# Altium PCB Weather_Station_ETH_HERMETIC.PcbDoc (part 2 of 5)
Units mil, origin at the board's own origin, x right, y up, seen from the top; angles counter-clockwise.
Board outline 6385.86 x 4338.61 mil, 2 copper layers (TopLayer, BottomLayer), stack 61.855 mil thick; 510 components, 370 nets, 1634 pads, 870 vias.
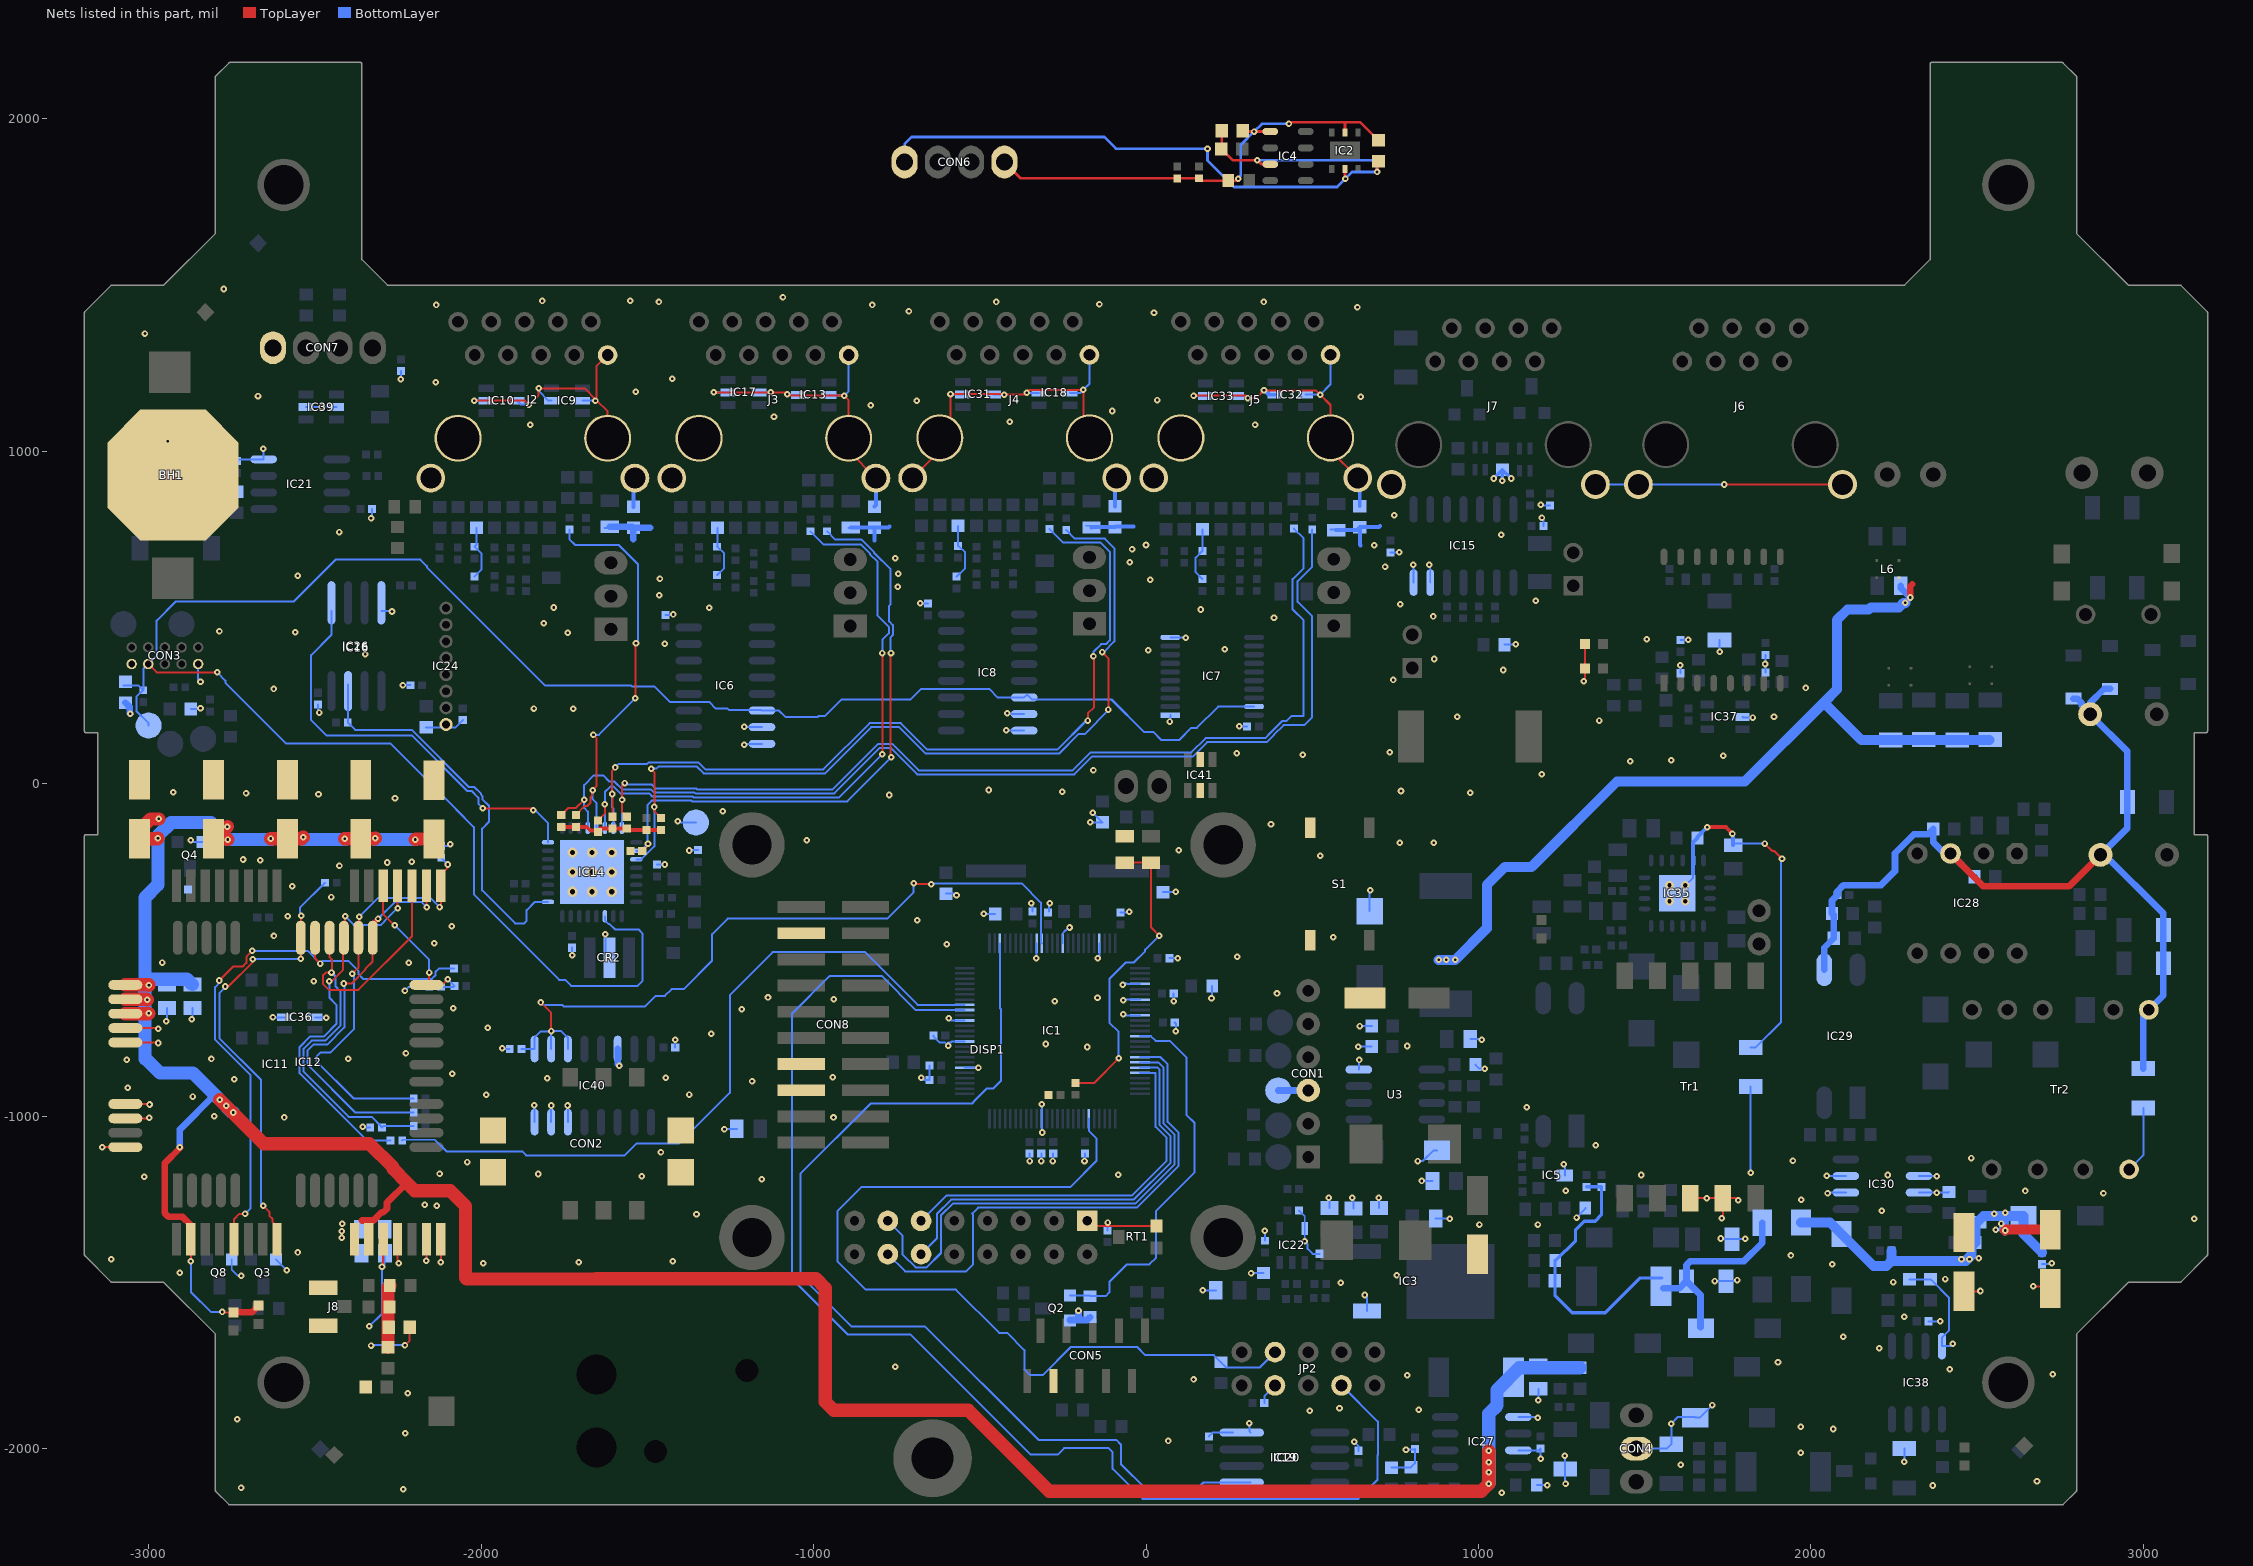
[diagram p2: the nets of this part, all layers, seen from the top]

## Footprints (in the part's own frame and the unit in brackets; to place one, negate y for a bottom-side part, rotate by r counter-clockwise, add the part's x,y. Pads: shape width x height; smd on the part's side, far side on the other; paste and mask are expansions set on the pad) (continued)
tssop20 [mil]
  rect 60x16 smd: 1(0,0)
  oval 60x16 smd: 2(0,-26) 3(0,-52) 4(0,-78) 5(0,-104) 6(0,-130) 7(0,-156) 8(0,-182) 9(0,-208) 10(0,-234) 11(252,-234) 12(252,-208) 13(252,-182) 14(252,-156) 15(252,-130) 16(252,-104) 17(252,-78) 18(252,-52) 19(252,-26) 20(252,0)
  silkscreen extent 63,-247 189,13, body extent 1,-246 247,14, height 47
Varistor_V07 [mm]
  round 1.5 hole 1: 1(0,0) 2(5,0)
  silkscreen extent -1.5,-1.5 6.5,1.5, body extent -1.46,-0.9 6.51,1.1, height 8.99
WZ04S [mm]
  oval 2x2.5 hole 1.3: 1(0,0) 2(2.54,0) 3(5.08,0) 4(7.62,0)
  silkscreen extent -2.54,-4.06 10.16,2.54, body extent -2.84,-3.53 10.67,3.68, height 10.92

## Part data
ANT1: "Flavus GSM Snap-In Antenna, 800/900/1800/1900 MHz, 0.8mm PCB Thickness"
BAT1: library part BATTERY_CR1220, "CR-21220 Battery 3V 35mAh"
BH1: library part BATTERY_HOLD_CR1220, "CR-1220 Battery holder"
C1 C3 C4 C8 C9 C10 C11 C17 C29 C31 C32 C33 C34 C35 C37 C38 C41 C42 C43 C44 C48 C49 C50 C53 C54 C69 C70 C73 C74 C75 C76 C84 C89 C92 C93 C94 C95 C96 C99 C100 C102 C103 C104 C107 C108 C110 C114 C115 C116 C117 C118 C119 C120 C121 C122 C181 C268: library part CAP_SMD_0402, "Capacitor SMD"
C2 C6 C18 C27 C45 C46 C51 C52 C55 C61 C63 C64 C71 C72 C80 C81 C83 C86 C90 C105 C106 C112 C260 C266: library part CAP_SMD_0603, "Capacitor SMD"
C5 C7 C56 C57 C65 C82 C85 C87 C88 C91 C109: library part CAP_SMD_1206, "Capacitor SMD"
C12 C15 C16 C20 C21 C23 C24 C25 C26 C28 C47 C67 C68 C113 C261 C264 C265 C269: library part CAP_SMD_0805, "Capacitor SMD"
C13 C14 C141 C143: library part X7R,1000pF,2KV,1206_0, "CAP,X7R,1000P,2KV,10%"
C19 C59 C60 C66 C77 C97 C98 C101: library part CAP_ELECTRO_SMD_C, "Electrolytic Capacitor"
C22: library part CAP_ELECTRO_SMD_D, "Electrolytic Capacitor"
C30 C39 C40 C58 C62 C111 C162 C163 C164: library part CAP_SMD, "Capacitor SMD"
C36: library part CAP_ELECTRO_5mm, "Electrolytic Capacitor"
C78 C79: library part CAP_ELECTRO_10mm, "Electrolytic Capacitor"
CON1: library part CON6
CON2: library part CON_CARD-SIME6C10, "Sim Card Holder (Maritex)"
CON3: library part "HEADER 5X2"
CON4: library part CON_3_2.54_key, "2.54mm crimped terminal header"
CON5: library part CON_ZIF_10_1mm_SMT_V, "FCI ZIF 1mm connector (Farnell)"
CON6 CON7: library part CON_4_2.54_key, "2.54mm crimped terminal header"
CON8: library part CON_IDC20_SMT_2mm, "20 pin, IDC receptacle, 2mm"
CON9: library part CON_2_2.54_key, "2.54mm crimped terminal header"
CR2: library part X_CERAMIC_RES, "ceramic resonator QCC(QDCV)12.00 (Maritex)"
D1 D2 D3 D5 D8 D13 D17 D18 D19 D20: library part shottky_SS14_18, "shottky diode (Maritex)"
D4 D9: library part D_TVS_33V_SMD_0.6KW_uni, "transil 600W"
D6: "TVS, 200V"
D7 D21: library part D_ER1G, "1A, 400V, 35ns"
D10 D11 D12 D14: library part D_S1ML, "1A, 1000V, 1.8us"
D15 D16: library part D_shottky_SS14_18, "shottky diode (Maritex)"
DISP1: library part LCD_HD44780_LED_2x8, "LCD character display socket with backlight"
F1 F2 F4 F5 F6 F8: library part F_PTC_0.05A, "50mA polymer FUSE"
F3 F7: library part F_PTC_9.5x6mm, "2.50A/15V"
FB1 FB2 FB3 FB46 FB47: library part L_FERRITE_BEAD, "ferrite bead"
FB4 FB5 FB6 FB7 FB8 FB9 FB10 FB11 FB12 FB13 FB14 FB15 FB16 FB17 FB18 FB19 FB20 FB21 FB22 FB23 FB24 FB25 FB26 FB27 FB28 FB29 FB30 FB31 FB32 FB33 FB34 FB35 FB36 FB37 FB38 FB39 FB40 FB41 FB42 FB43 FB44 FB45: library part L_FERRITE_BEAD_0603, "ferrite bead 100R@100MHz 1A"
FTG1 FTG2 FTG3 FTG4 FTG5 FTG6: "Fiducial Target"
IC1: library part UPC_PIC18F96J65_PT
IC2: "Humidity and Temperature Sensor IC"
IC3: library part REG_S1117-3.3D, "Voltage Regulator"
IC4: library part SENS_MPL115A2, "Miniature I2C Digital Barometer"
IC5: library part REF_TLV431_SOT23_16V, "16V 1.24V ADJ Voltage reference"
IC6 IC8: library part 4052
IC7: library part 74HC244, "TTL BUS tristate"
IC9 IC10 IC13 IC17 IC18 IC31 IC32 IC33 IC36 IC39 IC41: library part D_TVS_PESD3V3S4UD, "3.3V TVS"
IC11: library part "Quectel M95", "GSM Module"
IC12: "GSM Module"
IC14: library part UPC_LPC1111
IC15: library part DRV_SP3070/73/76, "3.3V, 1/8 Load, Failsafe  RS-485/RS422 Transceivers"
IC16 IC19 IC20 IC26: library part MEM_EN25F16, "FLASH (maritex)"
IC21: library part RTC_MCP79411, "RTC with 1k EEPROM, RAM and 48bit unique ID"
IC22: library part CMP_MCP6546RT-E/OT, "Open-Drain Output Sub-Microamp Comparators"
IC23 IC25: library part D_TVS_SM712, "Asymmetrical TVS Diode for RS485"
IC24: "Low Power High Performance 2.4 GHz GFSK Transceiver Module"
IC27: library part PWM_NCP3170, "4.5V to 18V, 3A synch buck"
IC28: library part PWM_VIPER20, "20W SMPS PRIMARY I.C."
IC29: library part OPTO-LTV817S, "transoptor"
IC30: library part REF_TL431_SO8, "Voltage reference"
IC34: library part OPTO-SFH6106-4, "opto-coupler"
IC35: library part PM_Si3402, "POE PD INTERFACE"
IC37: library part D_TVS_WWS05-4RUL, "TVS, 5V"
IC38: library part PM_LTC4002ES8-8.4, "Standalone Li-Ion  Switch Mode Battery Charger"
IC40: library part 4053
J1 J9: library part CON_TB2, "Terminal Block"
J2 J3 J4 J5: library part CON_MOD_10pin_V, "Modular 10pin (Maritex or Molex)"
J6 J7: library part CON_MOD_8pin_V, "Modular 8pin (Maritex or Molex)"
J8: library part CON_UFL_SMD, "UFL"
JP1 JP3: library part JUMPER, "Jumper"
JP2: library part "CON_HEADER 5X2", "Goldpin 2.54mm"
L1 L3 L6: library part L_CMC_DLW5BT, "CMC, 2A, 100R, 50V"
L2: library part L_POWER_DLCSN042C_1uH, "1uH, 2.9A, 0.07R, inductor (Maritex)"
L4 L5: library part L_POWER_INDUCTOR_CSS075F, "inductor"
L7 L8: library part L_CMC_DLSCM0805_180R, "CMC 180R"
L9: library part IND0603_WURTH_74279266, "Inductor"
L10 L11: library part L_CHOKE_1210, "Inductor (maritex)"
L12: library part L_POWER_DLCSN042C, "inductor (Maritex)"
L13: library part L_POWER_DLCSN042C_47uH, "47uH, 0.5A, 0.64R, inductor (Maritex)"
LED1 LED5 LED6: library part LED_0603G, "LED 0603 green"
LED2: library part LED_0603Y, "LED 0603 yellow"
LED3 LED9: library part LED_0603R, "LED 0603 red"
Q1: library part Q_TSM2307CX, "P MOSFET 30V, 0.14R, 2A"
Q2 Q3 Q4 Q8: library part Q_BSS138
R1 R2 R3 R4 R10 R11 R12 R20 R21 R24 R27 R31 R33 R39 R41 R46 R58 R59 R64 R65 R66 R89 R90 R91 R92 R94 R124 R134: library part RES_SMD, "SMD Resistor"
R5 R6 R7 R8 R13 R15 R16 R17 R18 R23 R25 R29 R30 R32 R37 R38 R43 R47 R48 R49 R50 R51 R52 R53 R54 R55 R56 R57 R62 R67 R68 R69 R70 R71 R75 R76 R78 R79 R80 R81 R82 R83 R84 R85 R86 R87 R88 R93 R95 R96 R97 R98 R99 R100 R101 R102 R104 R105 R106 R107 R108 R109 R110 R112 R113 R114 R117 R118 R120 R121 R122 R123 R125 R128 R129 R130 R137 R141 R149 R150 R151 R154 R156 R159 R160 R163 R164 R165 R166 R167 R168 R169 R170 R171 R172 R173: library part RES_0402, "SMD Resistor"
R9 R19 R22 R26 R28 R34 R35 R36 R40 R42 R60 R61 R63 R72 R73 R77 R103 R111 R115 R116 R119 R126 R127 R131 R132 R133 R135 R136 R138 R139 R140 R142 R143 R145 R146 R147 R148 R152 R153 R155 R157 R158 R161: library part RES_0603, "SMD Resistor"
R14: library part RES_1206, "SMD Resistor"
R44 R45 R74 R144 R162 R174 R175 R176 R177 R178: library part RES_0805, "SMD Resistor"
RT1: library part TRIMPOT_SMD_CARBON, "carbon SMD trimpot (Farnell)"
S1: library part SW-PB, "Push button 7.3mm"
TP1 TP2 TP3 TP4 TP5 TP10 TP11 TP12 TP13 TP14 TP15: library part TP, "Testpoint"
Tr1: library part Tr_FAFA2925, "15W, 12V PoE Transformer, for Si3402, Coilcraft only"
Tr2: library part Tr_74002, "6W 12V flyback transformer (MYRRA)"
Tr3: library part TR_H1260NL, "ethernet trafo (TME)"
U3: library part MC34063A
VR2: library part "Varistor V07N", "varistor 7mm (Maritex)"
X1: library part CRYSTAL, "Crystal oscillator"
X2: library part X_CRYSTAL_32k_SMD, "Crystal oscillator 32k (Maritex)"

## Free pads (board coordinates)
  round 157.48 hole 118.11: 0(-2593.9,1801.18) 1(2593.9,1801.18) 2(-2593.9,-1801.18) 3(2593.9,-1801.18)
  round 236.22 hole 125.98 paste-39.37: 0(-642,-2029)

## Via types
v1: diameter 19.68, hole 7.87, TopLayer to BottomLayer, tented both sides, 857 vias
v2: diameter 31.5, hole 15.75, TopLayer to BottomLayer, tented top, 9 vias
v3: diameter 25.98, hole 12.99, TopLayer to BottomLayer, tented top, 4 vias

## Nets (pads, with @x,y where several pads share a name; then routed paths per layer and width w, separated by ;. In a path a pad name is that pad's centre, name@x,y a point inside that pad or via, vN(x,y) a via of type N, cw(c..) or ccw(c..) an arc to the next point about the centre after c; other vN are vias at no path point)
12V_POE: C7.1 C266.2 D2.A D13.A L2.2 R6.1 R129.1 R139.2 | length 1435.6
  BottomLayer w10: R129.1@1325,-1212.72 R6.1@1370,-1212.72 1370,-1297 1351,-1316 1318,-1316 1292,-1342 1292,-1375 1233,-1434 R139.2@1231,-1434 1230,-1435 C266.2@1230,-1495 1230,-1539 1282,-1591 1381,-1591 1485,-1487 L2.2@1551,-1487
  BottomLayer w20: L2.2@1555.41,-1518 1604,-1518 C7.1@1626,-1496 ; D2.A@1668,-1635 1668,-1538 C7.1@1626,-1496 ; D13.A@1854,-1320.61 1854,-1381 1799,-1436 1638,-1436 1626,-1448 C7.1@1626,-1496
+3.3VS: C2.2 C64.2 CON6.1 IC2.5 IC4.1 R17.2 R18.2 R19.2 | length 1432.5
  TopLayer w8: CON6.1@-426,1870 -376.77,1820.77 R17.2@94,1820.77 94.51,1821.28 R18.2@159,1821.28 166.28,1814 R19.2@247.5,1814 270.94,1814 v1(276.94,1820) ; C64.2@290.5,1964 292.86,1961.64 v1(325,1961.64) IC4.1@374,1961.64 ; v1(430,1985) 430,1990 610,1990 ; 595,1990 610,1990 ; IC2.5@598.37,1959 598.37,1990 ; C2.2@699,1934.98 643.98,1990 610,1990
  BottomLayer w8: v1(276.94,1820) 276.94,1821.94 285,1830 285,1921.64 v1(325,1961.64) 348.36,1985 v1(430,1985)
+12V_AC: C66.1 C69.2 C77.1 C96.1 D3.A D5.A D15.K R74.1 R146.1 | length 1179.8
  TopLayer w30: v1(2584,-1344) 2586.58,-1341.42 C77.1@2720,-1341.42
  BottomLayer w30: D3.A@1970,-1319.61 2057,-1319.61 D5.A@2092,-1354.61 2188.39,-1451 2227,-1451 2243,-1435 ; C69.2@2242.72,-1405 2242.72,-1434.72 2243,-1435 ; v1(2584,-1344) 2581,-1341 v1@2581,-1300 ; C96.1@2695,-1410 2639.61,-1354.61 D15.K@2639.61,-1300 v1@2581,-1300 ; 2243,-1435 2466,-1435 2482.5,-1418.5 2482.5,-1392.5 R146.1@2495,-1380 2495,-1324.37 R74.1@2500,-1319.37 2519.37,-1300 v1@2581,-1300
  other v1: 2453,-1430 2477,-1430 2505,-1428 2556,-1342 2572,-1323 2551,-1294 2584,-1291
ADC0_IN: C115.2 IC14.21 R30.2 | length 1235.4
  TopLayer w6: C115.2@-1712.28,-94.28 C115.2@-1715,-94.28 -1687.72,-67 -1680,-67 -1671,-58 -1671,-40.16 -1665.84,-35 -1665.84,-20.84 v1(-1664.53,-19.53) -1653,-8 -1653,138 v1(-1662,147) ; v1(-1536,257) v1@-1536,420
  BottomLayer w6: R30.2@-1734.36,764.33 -1734.36,735.36 -1717,718 -1585.81,718 -1528,660.19 v1@-1528,422 ; v1(-1664.53,-19.53) -1664.53,-46.4 -1653.2,-57.73 IC14.21@-1653.2,-133.13 ; v1(-1662,147) -1646,147 v1(-1536,257)
  other v1: -1534,422
ADC1_IN: C116.2 IC14.22 R67.2 | length 1912.5
  TopLayer w6: C116.2@-1648,-110.28 -1627.61,-89.9 v1(-1627.61,-62) ; v1(-793,89) v1(-793,393)
  BottomLayer w6: IC14.22@-1627.61,-133.13 v1(-1627.61,-62) ; v1@-1627.61,-61 -1627.61,-25.03 -1611.18,-8.59 -1601.03,-8.59 -1580.78,-28.84 -1494.34,-28.84 -1484.34,-38.84 -1362.57,-38.84 -1360.41,-41 -923,-41 v1(-793,89) ; R67.2@-1009.36,759.33 -969.04,719 -856.81,719 -830.36,692.55 ; -830.36,690.39 -807,667.03 -807,505.65 -773.16,471.8 -773.16,452.2 -793,432.35 v1(-793,393)
ADC2_IN: C117.2 IC14.23 R69.2 | length 2573.1
  TopLayer w6: C117.2@-1605,-99.28 -1605,-32 v1(-1606,-31) -1606,38.84 v1(-1596,48.84) ; v1(-175,190) -175,211.65 -156.16,230.49 -156.16,381.16 v1(-158,383)
  BottomLayer w6: v1(-1606,-31) -1606,-71.02 -1602.02,-75 IC14.23@-1602.02,-133.13 ; v1(-1596,48.84) -1585.49,59.36 -1500.29,59.36 -1495.8,63.84 -1346.46,63.84 -1325.62,43 -970.3,43 -831.46,181.84 -737.54,181.84 -658.07,102.37 -266.6,102.37 -178.97,190 v1(-175,190) ; R69.2@-290,765.87 -290,765.73 -249.13,724.87 -136.77,724.87 -109,697.09 -109,431 -120.35,419.65 -135,419.65 -158,396.65 v1(-158,383)
ADC3_IN: C118.2 IC14.24 R71.2 | length 3006.6
  TopLayer w6: v1(-1568,2) -1576,-6 v1(-1576,-48) -1576,-85.28 C118.2@-1562,-99.28
  BottomLayer w6: IC14.24@-1576.43,-133.13 -1576.43,-48.43 v1(-1576,-48) ; v1(-1568,2) -1564.16,-1.84 -1487.4,-1.84 -1474.4,-14.84 -1352.63,-14.84 -1350.47,-17 -942.62,-17 -805.78,119.84 -763.22,119.84 -683.75,40.37 -220.57,40.37 -166.78,94.16 136.6,94.16 179.24,136.8 358.62,136.8 372.92,151.1 372.92,151.76 409.16,188 422.15,188 437.15,203 474,203 474,491 441,524 441,615 474,648 474,738.28 R71.2@445,767.28
ADC5_IN: C120.2 IC14.26 R68.2 | length 1802.7
  TopLayer w6: C120.2@-1515.41,-202.02 v1@-1498,-184.61 ; v1(-767,393) -767,391 -768,390 -768,81 v1(-766,79)
  BottomLayer w6: IC14.26@-1533.13,-202.02 -1519.02,-202.02 v1(-1498,-181) -1500,-179 -1500,-64.35 -1486.8,-51.16 -1367.22,-51.16 -1365.38,-53 -898,-53 v1(-766,79) ; R68.2@-959.36,759.33 -934.36,734.33 -855.17,734.33 -818.36,697.52 -818.36,695.36 -768,645 -768,539.56 -772.84,534.72 -772.84,488.46 -761.16,476.78 -761.16,447.22 -768,440.38 -768,391 -767,391 v1(-767,393)
ADC6_IN: C121.2 IC14.20 R75.2 | length 3205.8
  TopLayer w6: C121.2@-1759,-94.28 -1737.8,-73.08 -1715.08,-73.08 v1(-1690,-48)
  BottomLayer w6: IC14.20@-1678.8,-133.13 -1678.8,-84 -1690,-72.8 v1(-1690,-48) -1690,-4.35 -1660.8,24.84 -1632.59,24.84 -1613.75,6 -1598.65,6 -1575.8,-16.84 -1489.37,-16.84 -1479.37,-26.84 -1357.6,-26.84 -1355.44,-29 -937.65,-29 -800.8,107.84 -768.2,107.84 -688.72,28.37 -215.6,28.37 -161.81,82.16 141.57,82.16 184.21,124.8 363.59,124.8 384.92,146.13 ; 384.92,146.79 414.13,176 427.12,176 ; 428.12,177 477,177 500,200 500,503.01 456.3,546.71 456.3,609.29 500,652.99 R75.2@500,764.57
ADC7_IN: C122.2 IC14.27 R70.2 | length 2561
  TopLayer w6: v1@-1489,44 -1479,34 v1(-1479,-70) -1479,-83.28 C122.2@-1459,-103.28 ; v1(-132,396) -112.16,376.16 -112.16,223.84 v1(-113,223)
  BottomLayer w6: IC14.27@-1533.13,-227.61 -1517.97,-227.61 -1479,-188.65 v1(-1479,-70) ; v1(-1488,45) -1473,45 -1467,51 -1350.59,51 -1330.59,31 -965.33,31 -826.49,169.84 -742.51,169.84 -663.04,90.37 -261.63,90.37 -202,150 -183.35,150 -113,220.35 v1(-113,223) ; R70.2@-240,763.15 -213.72,736.87 -123.87,736.87 -95,708 -95,428.03 -127.03,396 v1(-132,396)
ANTENNA: C45.1 L9.1 R46.1 R66.1 R124.1 | length 374.1
  TopLayer w20: L9.1@-2280,-1695 -2275,-1690 R124.1@-2275.01,-1510
  TopLayer w40: L9.1@-2280,-1695 -2280,-1514.99 R124.1@-2275.01,-1510
BOOT_SEL: C52.2 CON3.8 IC6.6 IC7.19 IC8.6 IC14.3 R130.2 TP13.1 | length 6444.2
  TopLayer w6: CON3.8@-3001,360 -2976,335 v1(-2794,335)
  BottomLayer w6: C52.2@-3076,295 -3029.78,295 R130.2@-3016,281.22 ; TP13.1@-3000,175 -3000,181.87 -3036.81,218.68 -3036.81,261.33 -3016.92,281.22 R130.2@-3016,281.22 ; v1(-2794,335) -2769,310 -2769,303.57 -2586.91,121.47 -2273.47,121.47 -2075,-77 -2075,-77.67 -2022,-130.67 -2022,-332.91 -1764.91,-590 -1746.65,-590 -1728.84,-607.81 -1529.16,-607.81 -1515,-593.65 -1515,-450 -1526.43,-438.57 -1596.61,-438.57 -1613.02,-422.16 -1615.81,-422.16 -1627.61,-410.36 IC14.3@-1627.61,-398.87 ; IC7.19@325,232 217,232 152.84,167.84 136.48,167.84 100.8,132.16 45.2,132.16 21.52,155.84 -6.4,155.84 -103.72,253.16 -220.25,253.16 -220.57,252.84 -342.79,252.84 -357.79,267.84 IC8.6@-366.26,259.37 -432.63,259.37 -433,259 -446,259 -472,285 -676.65,285 -707.81,253.84 -915.57,253.84 -966.41,203 -985.41,203 -987.25,201.16 -1085,201.16 -1103.84,220 IC6.6@-1155,220 -1156,221 -1253.35,221 -1258.2,225.84 -1293.84,225.84 -1314,246 -1432,246 -1478.16,292.16 -1545.54,292.16 -1549.22,295.84 -1575.78,295.84 -1576.62,295 -1806.79,295 -2163,651.21 -2163,654.62 -2182.38,674 -2437.97,674 -2563.97,548 -2918.38,548 -2976.25,490.12 -2976.25,384.75 CON3.8@-3001,360 -3016,345 R130.2@-3016,281.22
CSN1: FB6.2 R100.2 R101.1 | length 166.7
  BottomLayer w6: R101.1@-2020,622.72 -1999.19,643.53 -1999.19,692.82 -2019.08,712.72 R100.2@-2020,712.72 -2014.36,718.35 FB6.2@-2014.36,769.33
CSN2: FB16.2 R102.2 R104.1 | length 160.6
  BottomLayer w6: FB16.2@-1289.36,769.33 -1289.36,713.35 R102.2@-1290,712.72 -1289.08,712.72 -1269.19,692.82 -1269.19,648.53 R104.1@-1290,627.72 R104.1@-1289.08,627.72
CSN3: FB26.2 R108.2 R109.1 | length 173
  BottomLayer w6: R109.1@-570,622.72 -544.19,648.53 -544.19,695.54 -564.08,715.43 R108.2@-565,715.43 FB26.2@-565,775.87
CSN4: FB36.2 R110.2 R112.1 | length 167.3
  BottomLayer w6: R112.1@170,615.43 149.19,636.24 149.19,680.11 169.08,700 R110.2@170,700 FB36.2@170,765
CTS1: IC1.43 R50.1 | length 2202.6
  BottomLayer w6: R50.1@-2237.28,-1073 -2235.28,-1071 -2139.09,-1071 -2104.09,-1106 -1876.58,-1106 -1864.58,-1118 -1568.06,-1118 -1533.06,-1083 -1405,-1083 -1252,-930 -1252,-636.13 -1122.87,-507 -845,-507 -686.92,-665.08 IC1.43@-545.69,-665.08
CURRENT_LOOP_IN: F8.2 R173.1 R174.2 | length 926.8
  TopLayer w6: R173.1@-212,-900.28 -156.28,-900.28 v1(-82,-826) ; R174.2@-64,-237.37 F8.2@15,-237.37 15,-432 v1(40,-457)
  BottomLayer w6: v1(-82,-826) -82,-746.63 -110.13,-718.5 -110.13,-587.45 -60.53,-537.85 -36.26,-537.85 -2.3,-503.89 -2.3,-499.3 v1(40,-457)
EARTH: C56.1 C269.2 IC35.9 IC35.21 R143.1 | length 1120.6
  TopLayer w6: v1(1688,-131) 1692,-135 v1@1693,-135 ; v1(1861,-180) 1883.5,-202.5 1889.5,-202.5 v1(1913,-226)
  TopLayer w12: v1(1688,-131) 1744,-131 v1(1764,-151)
  BottomLayer w6: v3(1621.87,-305.95) 1645.5,-282.33 1645.5,-272 ; v1@1687,-135 1692,-135 v1(1688,-131) ; v1(1764,-151) v1@1766,-153 ; C269.2@1766,-185.13 1771.13,-180 v1(1861,-180) ; C56.1@1819,-793 1834,-793 1910,-717 v1@1910,-226
  BottomLayer w12: 1645.5,-272 IC35.9@1645.5,-231.15 1645.5,-176.5 R143.1@1659,-163 1659,-160 v1(1688,-131) ; C269.2@1766,-185.13 v1@1766,-153
  other v3: 1574.63,-353.2 1621.87,-353.2 1574.63,-305.95
FLASH_NCS: IC14.16 IC16.1 IC26.1 | length 1271.6
  TopLayer w6: v1(-1995,-74) -1849,-74 v1(-1843,-80)
  BottomLayer w6: IC16.1@-2450,519 -2450,448 -2511.5,386.5 -2511.5,191.45 -2465.52,145.47 -2208.9,145.47 -2041.43,-22 -2028.35,-22 -2008.16,-42.2 -2008.16,-60.84 v1(-1995,-74) ; v1(-1843,-80) -1843,-74 -1798.87,-118.13 IC14.16@-1798.87,-176.43
FLASH_NHOLD: IC14.9 IC16.7 IC26.7 R137.2 | length 1199.7
  BottomLayer w6: IC16.7@-2400,299 IC26.7@-2400,258.15 -2400,185 R137.2@-2401,184 -2379,162 -2208.46,162 -2036.46,-10 -2020,-10 -2001,-29 -2001,-32.38 -1996.16,-37.22 -1996.16,-46.2 -1976.16,-66.2 -1976.16,-114 -1997.16,-135 -1997.16,-144.87 -1996.84,-145.19 -1996.84,-320.88 -1897.88,-419.84 -1869.84,-419.84 -1862.84,-412.84 -1862.84,-380.2 -1837.8,-355.16 -1799.28,-355.16 IC14.9@-1798.87,-355.57
FLASH_SS: IC1.53 IC19.1 IC20.1 | length 3103
  BottomLayer w6: IC1.53@-439.39,-480.04 -439.39,-675.03 -436.16,-678.25 -436.16,-893.8 -459.2,-916.84 -478.45,-916.84 -518.88,-957.28 -518.88,-958.5 -522.38,-962 -828,-962 -1039.84,-1173.84 -1039.84,-1478.19 -886.04,-1632 -665,-1632 -323.31,-1973.69 -115.71,-1973.69 -90.16,-1973.69 -89.9,-1973.69 -75.16,-1988.43 -75.16,-2046.84 -1,-2121 154,-2121 173,-2102 IC19.1@261,-2102 IC20.1@315,-2102
GND: BH1.neg C1.2 C3.2 C4.1 C5.2 C7.2 C8.1 C9.2 C10.2 C11.2 C12.2 C13.1 C14.2 C15.2 C16.2 C17.2 C18.2 C19.2 C20.2 C22.2 C23.2 C24.2 C25.2 C26.2 C27.2 C28.2 C29.1 C30.1 C31.1 C32.1 C33.2 C34.2 C35.2 C37.2 C38.2 C39.1 C40.1 C41.2 C42.1 C45.2 C46.2 C49.2 C51.1 C52.1 C53.2 C56.2 C58.1 C59.2 C60.2 C62.2 C63.2 C65.2 C66.2 C73.1 C74.1 C75.1 C76.1 C77.2 C83.2 C84.1 C87.2 C88.1 C89.2 C90.2 C91.2 C92.1 C93.1 C94.1 C95.2 C96.2 C97.2 C98.2 C99.2 C100.2 C101.2 C102.2 C103.2 C104.2 C105.2 C107.2 C109.2 C111.1 C112.2 C114.1 C115.1 C116.1 C117.1 C118.1 C119.1 C120.1 C121.1 C122.1 C141.1 C143.2 C162.1 C163.1 C164.1 C181.1 CON1.3 CON2.G1 CON2.G2 CON2.G3 CON2.G4 CON3.2 CON3.10 CON4.2 CON5.8 CON7.4 CON8.6 CON8.8 CON8.18 CR2.2 D8.A D9.A D18.A DISP1.1 FB13.2 FB23.2 FB33.2 FB43.2 FB44.1 FB47.2 IC1.15 IC1.31 IC1.36 IC1.40 IC1.60 IC1.65 IC1.72 IC1.79 IC1.82 IC1.85 IC3.1 IC5.3 IC6.7 IC6.8 IC7.1 IC7.10 IC8.7 IC8.8 IC11.35 IC11.36 IC11.37 IC11.38 IC11.40 IC12.26 IC12.27 IC12.29 IC12.30 IC14.33 IC15.6 IC15.7 IC16.4 IC19.4 IC20.4 IC21.4 IC22.5 IC24.1 IC26.4 IC27.1 IC27.3 IC30.2 IC30.3 IC30.6 IC30.7 IC36.2 IC36.5 IC37.2 IC38.4 IC39.2 IC39.5 IC40.6 IC40.7 IC40.8 IC40.14 IC41.2 IC41.5 J6.9a J6.9b J7.9a J7.9b J8.2 J8.2a JP2.8 L6.2 LED1.K LED2.K Q2.2 Q3.2 Q4.2 Q8.2 R9.1 R15.2 R27.2 R38.1 R39.2 R55.1 R56.1 R57.1 R59.1 R63.1 R103.1 R134.1 R148.2 R151.1 R154.1 R155.1 R159.2 R163.1 R165.1 R174.1 R175.2 R176.2 R177.2 R178.2 RT1.3 S1.1 TP5.1 TP15.1 Tr1.7 Tr1.8 Tr2.10 U3.4 | length 13334.9